# KiCad board DIP8breakout+potToUSB.kicad_pcb (continued)
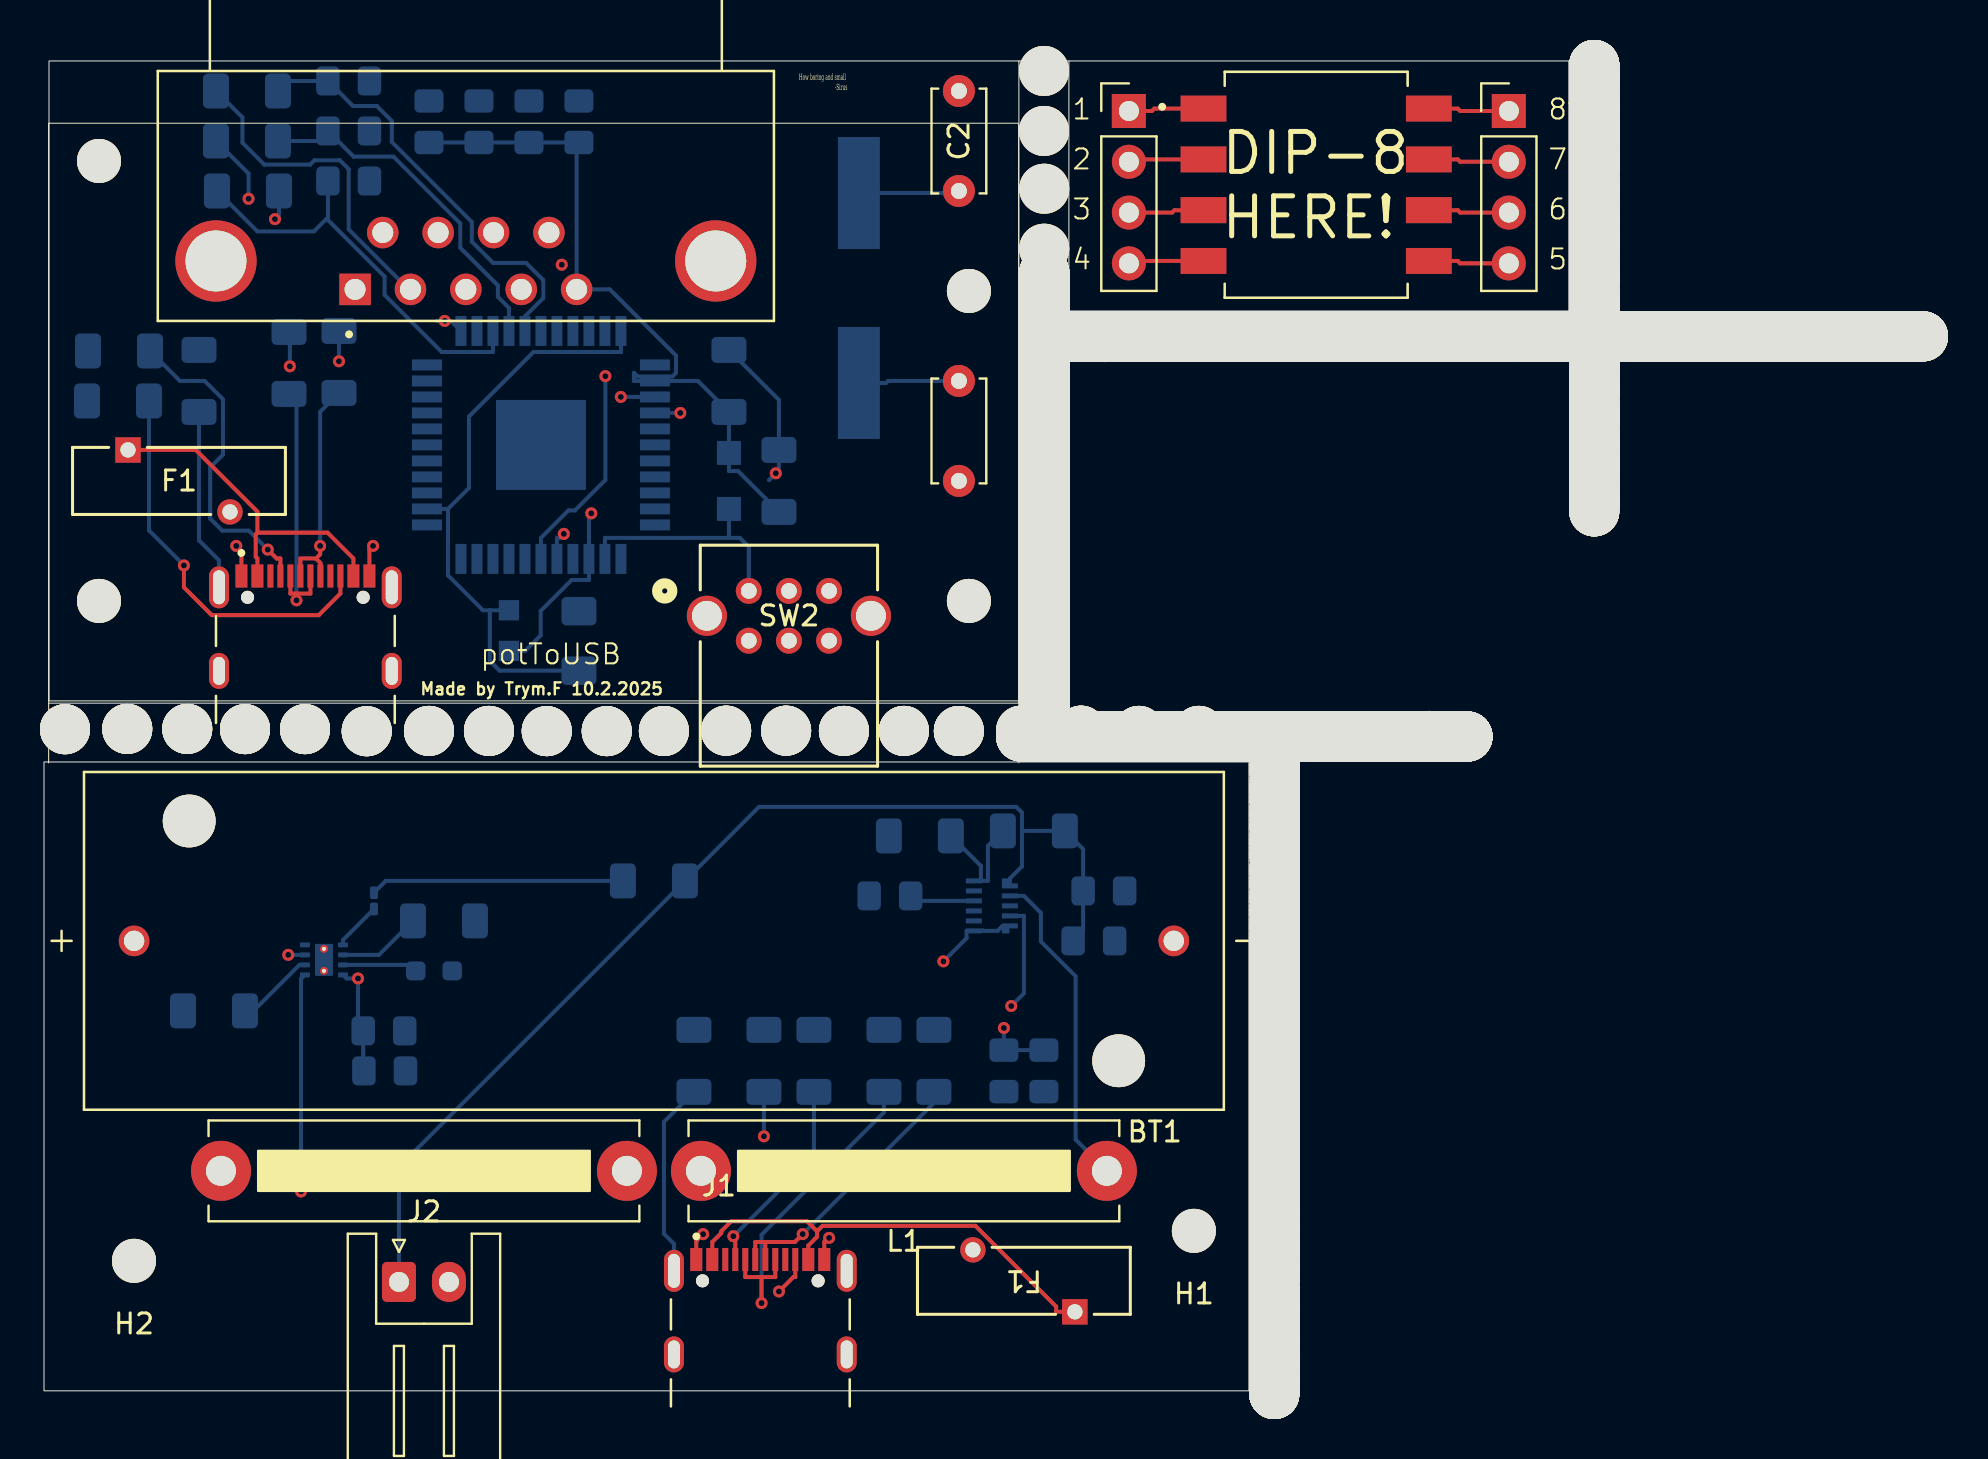
[diagram p0: board, top side]
## Placement (name value [footprint] x y rotation side) (continued)
NOREF#2750  -  [unnamed]  65.14 32.72 0 top
NOREF#2751  -  [unnamed]  50.02 50.89 90 top
NOREF#2752  -  [unnamed]  50.02 49.61 90 top
NOREF#2753  -  [unnamed]  50.02 39.43 90 top
NOREF#2754  -  [unnamed]  55.28 52.73 180 top
NOREF#2755  -  [unnamed]  61.55 14.17 90 top
NOREF#2756  -  [unnamed]  56.34 52.73 180 top
NOREF#2757  -  [unnamed]  61.52 16.52 270 top
NOREF#2758  -  [unnamed]  77.52 59.6 90 top
NOREF#2759  -  [unnamed]  77.52 51.02 90 top
NOREF#2760  -  [unnamed]  61.52 14.92 270 top
NOREF#2761  -  [unnamed]  50.02 38.61 90 top
NOREF#2762  -  [unnamed]  75.46 52.73 180 top
NOREF#2763  -  [unnamed]  50.02 48.01 90 top
NOREF#2764  -  [unnamed]  51.32 32.72 0 top
NOREF#2765  -  [unnamed]  52.48 32.72 0 top
NOREF#2766  -  [unnamed]  61.52 19.2 270 top
NOREF#2767  -  [unnamed]  61.55 24.03 90 top
NOREF#2768  -  [unnamed]  82.3 52.73 180 top
NOREF#2769  -  [unnamed]  68.68 52.73 180 top
NOREF#2770  -  [unnamed]  61.98 52.73 180 top
NOREF#2771  -  [unnamed]  61.55 22.67 90 top
NOREF#2772  -  [unnamed]  61.52 13.36 270 top
NOREF#2773  -  [unnamed]  76.2 52.73 180 top
NOREF#2774  -  [unnamed]  84.5 52.73 180 top
NOREF#2775  -  [unnamed]  51.32 32.72 0 top
NOREF#2776  -  [unnamed]  61.52 15.12 270 top
NOREF#2777  -  [unnamed]  61.55 14.83 90 top
NOREF#2778  -  [unnamed]  65.34 52.73 180 top
NOREF#2779  -  [unnamed]  61.55 22.87 90 top
NOREF#2780  -  [unnamed]  53.62 32.72 0 top
NOREF#2781  -  [unnamed]  50.02 48.47 90 top
NOREF#2782  -  [unnamed]  63.74 32.72 0 top
NOREF#2783  -  [unnamed]  60.38 52.73 180 top
NOREF#2784  -  [unnamed]  68.92 32.72 0 top
NOREF#2785  -  [unnamed]  50.02 50.07 90 top
NOREF#2786  -  [unnamed]  71.84 52.73 180 top
NOREF#2787  -  [unnamed]  52.02 32.72 0 top
NOREF#2788  -  [unnamed]  61.55 13.23 90 top
NOREF#2789  -  [unnamed]  61.52 20.36 270 top
NOREF#2790  -  [unnamed]  77.52 65.24 90 top
NOREF#2791  -  [unnamed]  56.3 32.72 0 top
NOREF#2792  -  [unnamed]  77.52 49.2 90 top
NOREF#2793  -  [unnamed]  61.98 52.73 180 top
NOREF#2794  -  [unnamed]  50.02 33.79 90 top
NOREF#2795  -  [unnamed]  49.92 32.72 0 top
NOREF#2796  -  [unnamed]  70.48 52.73 180 top
NOREF#2797  -  [unnamed]  61.55 24.03 90 top
NOREF#2798  -  [unnamed]  61.55 24.23 90 top
NOREF#2799  -  [unnamed]  57.16 52.73 180 top
NOREF#2800  -  [unnamed]  61.52 6.88 270 top
NOREF#2801  -  [unnamed]  56.14 52.73 180 top
NOREF#2802  -  [unnamed]  61.52 19.9 270 top
NOREF#2803  -  [unnamed]  77.52 49.82 90 top
NOREF#2804  -  [unnamed]  50.02 43.79 90 top
NOREF#2805  -  [unnamed]  50.02 55.31 90 top
NOREF#2806  -  [unnamed]  59.52 32.72 0 top
NOREF#2807  -  [unnamed]  57.66 32.72 0 top
NOREF#2808  -  [unnamed]  72.84 52.73 180 top
NOREF#2809  -  [unnamed]  91.2 52.73 180 top
NOREF#2810  -  [unnamed]  89.6 52.73 180 top
NOREF#2811  -  [unnamed]  61.55 16.31 90 top
NOREF#2812  -  [unnamed]  67.14 52.73 180 top
NOREF#2813  -  [unnamed]  80.64 52.73 180 top
NOREF#2814  -  [unnamed]  50.02 55.91 90 top
NOREF#2815  -  [unnamed]  57.16 32.72 0 top
NOREF#2816  -  [unnamed]  61.55 13.23 90 top
NOREF#2817  -  [unnamed]  77.52 54.18 90 top
NOREF#2818  -  [unnamed]  53.18 52.73 180 top
NOREF#2819  -  [unnamed]  73.64 52.73 180 top
NOREF#2820  -  [unnamed]  61.55 14.63 90 top
NOREF#2821  -  [unnamed]  73.24 52.73 180 top
NOREF#2822  -  [unnamed]  70.28 52.73 180 top
NOREF#2823  -  [unnamed]  61.55 24.49 90 top
NOREF#2824  -  [unnamed]  59.06 32.72 0 top
NOREF#2825  -  [unnamed]  77.52 63.84 90 top
NOREF#2826  -  [unnamed]  61.55 11.87 90 top
NOREF#2827  -  [unnamed]  50.02 54.85 90 top
NOREF#2828  -  [unnamed]  52.72 52.73 180 top
NOREF#2829  -  [unnamed]  50.02 42.85 90 top
NOREF#2830  -  [unnamed]  74.1 52.73 180 top
NOREF#2831  -  [unnamed]  50.02 45.71 90 top
NOREF#2832  -  [unnamed]  56.3 32.72 0 top
NOREF#2833  -  [unnamed]  61.52 10.7 270 top
NOREF#2834  -  [unnamed]  77.52 49.82 90 top
NOREF#2835  -  [unnamed]  50.02 42.39 90 top
NOREF#2836  -  [unnamed]  85.36 52.73 180 top
NOREF#2837  -  [unnamed]  61.55 21.73 90 top
NOREF#2838  -  [unnamed]  61.52 11.96 270 top
NOREF#2839  -  [unnamed]  61.55 22.67 90 top
NOREF#2840  -  [unnamed]  61.55 26.51 90 top
NOREF#2841  -  [unnamed]  72.18 52.73 180 top
NOREF#2842  -  [unnamed]  58.12 32.72 0 top
NOREF#2843  -  [unnamed]  90.54 52.73 180 top
NOREF#2844  -  [unnamed]  77.52 55.64 90 top
NOREF#2845  -  [unnamed]  77.52 47.6 90 top
NOREF#2846  -  [unnamed]  61.52 7.94 270 top
NOREF#2847  -  [unnamed]  64.44 52.73 180 top
NOREF#2848  -  [unnamed]  64.48 32.72 0 top
NOREF#2849  -  [unnamed]  60.52 32.72 0 top
NOREF#2850  -  [unnamed]  64.14 32.72 0 top
NOREF#2851  -  [unnamed]  57.16 32.72 0 top
NOREF#2852  -  [unnamed]  69.58 32.72 0 top
NOREF#2853  -  [unnamed]  61.55 19.07 90 top
NOREF#2854  -  [unnamed]  50.66 32.72 0 top
NOREF#2855  -  [unnamed]  59.92 52.73 180 top
NOREF#2856  -  [unnamed]  87.92 52.73 180 top
NOREF#2857  -  [unnamed]  50.02 43.25 90 top
NOREF#2858  -  [unnamed]  67.6 52.73 180 top
NOREF#2859  -  [unnamed]  61.58 52.73 180 top
NOREF#2860  -  [unnamed]  77.52 54.64 90 top
NOREF#2861  -  [unnamed]  77.52 45.78 90 top
NOREF#2862  -  [unnamed]  68.88 52.73 180 top
NOREF#2863  -  [unnamed]  61.52 0.7 270 top
NOREF#2864  -  [unnamed]  50.02 46.85 90 top
NOREF#2865  -  [unnamed]  57.66 32.72 0 top
NOREF#2866  -  [unnamed]  50.02 47.61 90 top
NOREF#2867  -  [unnamed]  64.64 52.73 180 top
NOREF#2868  -  [unnamed]  61.52 7.94 270 top
NOREF#2869  -  [unnamed]  61.52 17.6 270 top
NOREF#2870  -  [unnamed]  50.02 44.25 90 top
NOREF#2871  -  [unnamed]  61.55 26.71 90 top
NOREF#2872  -  [unnamed]  88.74 52.73 180 top
NOREF#2873  -  [unnamed]  62.38 52.73 180 top
NOREF#2874  -  [unnamed]  67.4 52.73 180 top
NOREF#2875  -  [unnamed]  77.52 60.88 90 top
NOREF#2876  -  [unnamed]  66.94 52.73 180 top
NOREF#2877  -  [unnamed]  61.52 21.76 270 top
NOREF#2878  -  [unnamed]  68.68 52.73 180 top
NOREF#2879  -  [unnamed]  92.16 52.73 180 top
NOREF#2880  -  [unnamed]  54.28 32.72 0 top
NOREF#2881  -  [unnamed]  67.4 52.73 180 top
NOREF#2882  -  [unnamed]  77.52 52.58 90 top
NOREF#2883  -  [unnamed]  75.26 52.73 180 top
NOREF#2884  -  [unnamed]  61.55 30.87 90 top
NOREF#2885  -  [unnamed]  77.52 53.78 90 top
NOREF#2886  -  [unnamed]  65.14 32.72 0 top
NOREF#2887  -  [unnamed]  77.52 46.44 90 top
NOREF#2888  -  [unnamed]  70.32 32.72 0 top
NOREF#2889  -  [unnamed]  77.52 64.7 90 top
NOREF#2890  -  [unnamed]  77.94 52.73 180 top
NOREF#2891  -  [unnamed]  71.84 52.73 180 top
NOREF#2892  -  [unnamed]  51.82 32.72 0 top
NOREF#2893  -  [unnamed]  77.52 50.02 90 top
NOREF#2894  -  [unnamed]  50.02 39.43 90 top
NOREF#2895  -  [unnamed]  77.52 44.84 90 top
NOREF#2896  -  [unnamed]  87.06 52.73 180 top
NOREF#2897  -  [unnamed]  61.52 12.7 270 top
NOREF#2898  -  [unnamed]  63.98 52.73 180 top
NOREF#2899  -  [unnamed]  83.1 52.73 180 top
NOREF#2900  -  [unnamed]  50.02 35.39 90 top
NOREF#2901  -  [unnamed]  50.02 52.95 90 top
NOREF#2902  -  [unnamed]  61.52 20.36 270 top
NOREF#2903  -  [unnamed]  50.02 46.65 90 top
NOREF#2904  -  [unnamed]  77.52 52.58 90 top
NOREF#2905  -  [unnamed]  70.78 32.72 0 top
NOREF#2906  -  [unnamed]  87.46 52.73 180 top
NOREF#2907  -  [unnamed]  77.52 55.44 90 top
NOREF#2908  -  [unnamed]  61.55 18.87 90 top
NOREF#2909  -  [unnamed]  50.46 32.72 0 top
NOREF#2910  -  [unnamed]  50.02 53.65 90 top
NOREF#2911  -  [unnamed]  55.48 52.73 180 top
NOREF#2912  -  [unnamed]  61.52 21.3 270 top
NOREF#2913  -  [unnamed]  93.76 52.73 180 top
NOREF#2914  -  [unnamed]  77.52 58.4 90 top
NOREF#2915  -  [unnamed]  56.34 52.73 180 top
NOREF#2916  -  [unnamed]  61.52 9.3 270 top
NOREF#2917  -  [unnamed]  90.6 52.73 180 top
NOREF#2918  -  [unnamed]  77.52 51.42 90 top
NOREF#2919  -  [unnamed]  61.52 21.3 270 top
NOREF#2920  -  [unnamed]  50.02 43.59 90 top
NOREF#2921  -  [unnamed]  50.02 52.95 90 top
NOREF#2922  -  [unnamed]  53.02 32.72 0 top
NOREF#2923  -  [unnamed]  50.02 42.85 90 top
NOREF#2924  -  [unnamed]  61.52 20.36 270 top
NOREF#2925  -  [unnamed]  50.02 34.65 90 top
NOREF#2926  -  [unnamed]  61.52 4.6 270 top
NOREF#2927  -  [unnamed]  60.58 52.73 180 top
NOREF#2928  -  [unnamed]  88.12 52.73 180 top
NOREF#2929  -  [unnamed]  78.88 52.73 180 top
NOREF#2930  -  [unnamed]  55.28 52.73 180 top
NOREF#2931  -  [unnamed]  63.98 52.73 180 top
NOREF#2932  -  [unnamed]  71.84 52.73 180 top
NOREF#2933  -  [unnamed]  70.28 52.73 180 top
NOREF#2934  -  [unnamed]  50.02 34.65 90 top
NOREF#2935  -  [unnamed]  77.52 48.34 90 top
NOREF#2936  -  [unnamed]  61.52 0.04 270 top
NOREF#2937  -  [unnamed]  50.02 41.29 90 top
NOREF#2938  -  [unnamed]  61.55 16.31 90 top
NOREF#2939  -  [unnamed]  56.96 32.72 0 top
NOREF#2940  -  [unnamed]  50.02 39.01 90 top
NOREF#2941  -  [unnamed]  77.52 57.24 90 top
NOREF#2942  -  [unnamed]  54.08 52.73 180 top
NOREF#2943  -  [unnamed]  57.62 52.73 180 top
NOREF#2944  -  [unnamed]  61.52 5.88 270 top
NOREF#2945  -  [unnamed]  77.52 49 90 top
NOREF#2946  -  [unnamed]  61.55 27.37 90 top
NOREF#2947  -  [unnamed]  77.52 52.08 90 top
NOREF#2948  -  [unnamed]  71.84 52.73 180 top
NOREF#2949  -  [unnamed]  61.52 19.9 270 top
NOREF#2950  -  [unnamed]  61.55 25.63 90 top
NOREF#2951  -  [unnamed]  61.55 28.31 90 top
NOREF#2952  -  [unnamed]  63.44 52.73 180 top
NOREF#2953  -  [unnamed]  54.74 52.73 180 top
NOREF#2954  -  [unnamed]  61.52 18.34 270 top
NOREF#2955  -  [unnamed]  56.76 32.72 0 top
NOREF#2956  -  [unnamed]  50.02 47.31 90 top
NOREF#2957  -  [unnamed]  65.54 52.73 180 top
NOREF#2958  -  [unnamed]  53.42 32.72 0 top
NOREF#2959  -  [unnamed]  91.5 52.73 180 top
NOREF#2960  -  [unnamed]  72.04 52.73 180 top
NOREF#2961  -  [unnamed]  64.84 52.73 180 top
NOREF#2962  -  [unnamed]  61.52 19.5 270 top
NOREF#2963  -  [unnamed]  77.52 61.28 90 top
NOREF#2964  -  [unnamed]  92.16 52.73 180 top
NOREF#2965  -  [unnamed]  50.02 53.65 90 top
NOREF#2966  -  [unnamed]  61.55 31.73 90 top
NOREF#2967  -  [unnamed]  50.02 40.83 90 top
NOREF#2968  -  [unnamed]  63.04 52.73 180 top
NOREF#2969  -  [unnamed]  61.55 15.91 90 top
NOREF#2970  -  [unnamed]  61.52 17.6 270 top
NOREF#2971  -  [unnamed]  75.8 52.73 180 top
NOREF#2972  -  [unnamed]  50.02 46.85 90 top
NOREF#2973  -  [unnamed]  50.02 49.41 90 top
NOREF#2974  -  [unnamed]  77.52 48.54 90 top
NOREF#2975  -  [unnamed]  90.34 52.73 180 top
NOREF#2976  -  [unnamed]  77.52 44.18 90 top
NOREF#2977  -  [unnamed]  65.34 52.73 180 top
NOREF#2978  -  [unnamed]  61.52 16.94 270 top
NOREF#2979  -  [unnamed]  77.52 49.2 90 top
NOREF#2980  -  [unnamed]  57.36 52.73 180 top
NOREF#2981  -  [unnamed]  77.52 61.94 90 top
NOREF#2982  -  [unnamed]  61.55 15.65 90 top
NOREF#2983  -  [unnamed]  61.52 14.06 270 top
NOREF#2984  -  [unnamed]  50.02 41.03 90 top
NOREF#2985  -  [unnamed]  61.52 7.08 270 top
NOREF#2986  -  [unnamed]  59.72 32.72 0 top
NOREF#2987  -  [unnamed]  59.02 52.73 180 top
NOREF#2988  -  [unnamed]  76.2 52.73 180 top
NOREF#2989  -  [unnamed]  50.02 41.89 90 top
NOREF#2990  -  [unnamed]  61.18 32.72 0 top
NOREF#2991  -  [unnamed]  81.1 52.73 180 top
NOREF#2992  -  [unnamed]  61.55 18.67 90 top
NOREF#2993  -  [unnamed]  77.52 62.88 90 top
NOREF#2994  -  [unnamed]  61.52 9.84 270 top
NOREF#2995  -  [unnamed]  93.56 52.73 180 top
NOREF#2996  -  [unnamed]  50.02 52.09 90 top
NOREF#2997  -  [unnamed]  77.48 52.73 180 top
NOREF#2998  -  [unnamed]  61.52 4.86 270 top
NOREF#2999  -  [unnamed]  52.02 32.72 0 top
NOREF#3000  -  [unnamed]  84.7 52.73 180 top
NOREF#3001  -  [unnamed]  71.64 52.73 180 top
NOREF#3002  -  [unnamed]  50.02 33.99 90 top
NOREF#3003  -  [unnamed]  51.52 32.72 0 top
NOREF#3004  -  [unnamed]  50.02 54.11 90 top
NOREF#3005  -  [unnamed]  50.02 39.43 90 top
NOREF#3006  -  [unnamed]  77.52 52.58 90 top
NOREF#3007  -  [unnamed]  61.52 3.46 270 top
NOREF#3008  -  [unnamed]  50.02 53.15 90 top
NOREF#3009  -  [unnamed]  77.52 50.22 90 top
NOREF#3010  -  [unnamed]  61.52 10.7 270 top
NOREF#3011  -  [unnamed]  77.52 63.84 90 top
NOREF#3012  -  [unnamed]  68.88 52.73 180 top
NOREF#3013  -  [unnamed]  60.78 52.73 180 top
NOREF#3014  -  [unnamed]  50.02 43.99 90 top
NOREF#3015  -  [unnamed]  77.48 52.73 180 top
NOREF#3016  -  [unnamed]  77.06 52.73 180 top
NOREF#3017  -  [unnamed]  61.55 12.57 90 top
NOREF#3018  -  [unnamed]  77.52 52.08 90 top
NOREF#3019  -  [unnamed]  61.55 16.65 90 top
NOREF#3020  -  [unnamed]  61.55 15.65 90 top
NOREF#3021  -  [unnamed]  50.02 42.39 90 top
NOREF#3022  -  [unnamed]  53.88 32.72 0 top
NOREF#3023  -  [unnamed]  61.52 16.32 270 top
NOREF#3024  -  [unnamed]  61.52 2.5 270 top
NOREF#3025  -  [unnamed]  61.55 27.57 90 top
NOREF#3026  -  [unnamed]  50.92 32.72 0 top
NOREF#3027  -  [unnamed]  50.02 42.85 90 top
NOREF#3028  -  [unnamed]  50.02 50.69 90 top
NOREF#3029  -  [unnamed]  50.02 52.95 90 top
NOREF#3030  -  [unnamed]  59.02 52.73 180 top
NOREF#3031  -  [unnamed]  50.02 34.45 90 top
NOREF#3032  -  [unnamed]  77.52 54.84 90 top
NOREF#3033  -  [unnamed]  61.55 17.05 90 top
NOREF#3034  -  [unnamed]  59.06 32.72 0 top
NOREF#3035  -  [unnamed]  61.52 2.8 270 top
NOREF#3036  -  [unnamed]  82.1 52.73 180 top
NOREF#3037  -  [unnamed]  63.24 52.73 180 top
NOREF#3038  -  [unnamed]  50.02 44.45 90 top
NOREF#3039  -  [unnamed]  77.52 54.18 90 top
NOREF#3040  -  [unnamed]  61.52 12.9 270 top
NOREF#3041  -  [unnamed]  61.55 14.17 90 top
NOREF#3042  -  [unnamed]  50.02 53.25 90 top
NOREF#3043  -  [unnamed]  61.52 4 270 top
NOREF#3044  -  [unnamed]  61.55 19.61 90 top
NOREF#3045  -  [unnamed]  61.52 18.54 270 top
NOREF#3046  -  [unnamed]  54.54 52.73 180 top
NOREF#3047  -  [unnamed]  61.52 11.3 270 top
NOREF#3048  -  [unnamed]  59.52 32.72 0 top
NOREF#3049  -  [unnamed]  61.52 16.94 270 top
NOREF#3050  -  [unnamed]  77.52 47.8 90 top
NOREF#3051  -  [unnamed]  77.52 54.18 90 top
NOREF#3052  -  [unnamed]  78.34 52.73 180 top
NOREF#3053  -  [unnamed]  59.02 52.73 180 top
NOREF#3054  -  [unnamed]  64.68 32.72 0 top
NOREF#3055  -  [unnamed]  61.52 0.7 270 top
NOREF#3056  -  [unnamed]  50.02 43.79 90 top
NOREF#3057  -  [unnamed]  61.55 17.05 90 top
NOREF#3058  -  [unnamed]  80.44 52.73 180 top
NOREF#3059  -  [unnamed]  61.52 9.3 270 top
NOREF#3060  -  [unnamed]  50.02 47.11 90 top
NOREF#3061  -  [unnamed]  83.96 52.73 180 top
NOREF#3062  -  [unnamed]  61.92 32.72 0 top
NOREF#3063  -  [unnamed]  50.02 52.09 90 top
NOREF#3064  -  [unnamed]  61.55 9.81 90 top
NOREF#3065  -  [unnamed]  61.52 6.54 270 top
NOREF#3066  -  [unnamed]  61.52 16.94 270 top
NOREF#3067  -  [unnamed]  50.02 34.65 90 top
NOREF#3068  -  [unnamed]  61.52 4.66 270 top
NOREF#3069  -  [unnamed]  61.55 16.51 90 top
NOREF#3070  -  [unnamed]  56.96 52.73 180 top
NOREF#3071  -  [unnamed]  70.98 32.72 0 top
NOREF#3072  -  [unnamed]  61.52 4.86 270 top
NOREF#3073  -  [unnamed]  82.5 52.73 180 top
NOREF#3074  -  [unnamed]  55.88 52.73 180 top
NOREF#3075  -  [unnamed]  50.02 49.61 90 top
NOREF#3076  -  [unnamed]  50.02 38.61 90 top
NOREF#3077  -  [unnamed]  62.58 32.72 0 top
NOREF#3078  -  [unnamed]  61.52 14.52 270 top
NOREF#3079  -  [unnamed]  73.44 52.73 180 top
NOREF#3080  -  [unnamed]  61.55 25.03 90 top
NOREF#3081  -  [unnamed]  61.52 6.34 270 top
NOREF#3082  -  [unnamed]  62.12 32.72 0 top
NOREF#3083  -  [unnamed]  61.52 18.54 270 top
NOREF#3084  -  [unnamed]  86.72 52.73 180 top
NOREF#3085  -  [unnamed]  73.24 52.73 180 top
NOREF#3086  -  [unnamed]  77.52 65.24 90 top
NOREF#3087  -  [unnamed]  77.52 49.2 90 top
NOREF#3088  -  [unnamed]  64.84 52.73 180 top
NOREF#3089  -  [unnamed]  77.52 50.68 90 top
NOREF#3090  -  [unnamed]  50.02 53.45 90 top
NOREF#3091  -  [unnamed]  77.52 51.42 90 top
NOREF#3092  -  [unnamed]  70.48 52.73 180 top
NOREF#3093  -  [unnamed]  61.55 31.07 90 top
NOREF#3094  -  [unnamed]  61.52 1.44 270 top
NOREF#3095  -  [unnamed]  91.7 52.73 180 top
NOREF#3096  -  [unnamed]  61.52 5.88 270 top
NOREF#3097  -  [unnamed]  61.55 29.87 90 top
NOREF#3098  -  [unnamed]  82.7 52.73 180 top
NOREF#3099  -  [unnamed]  50.02 46.65 90 top
NOREF#3100  -  [unnamed]  77.94 52.73 180 top
NOREF#3101  -  [unnamed]  61.52 5.88 270 top
NOREF#3102  -  [unnamed]  51.82 32.72 0 top
NOREF#3103  -  [unnamed]  61.55 30.33 90 top
NOREF#3104  -  [unnamed]  59.92 52.73 180 top
NOREF#3105  -  [unnamed]  75.66 52.73 180 top
NOREF#3106  -  [unnamed]  77.52 47.6 90 top
NOREF#3107  -  [unnamed]  82.5 52.73 180 top
NOREF#3108  -  [unnamed]  60.92 52.73 180 top
NOREF#3109  -  [unnamed]  73.04 52.73 180 top
NOREF#3110  -  [unnamed]  57.66 32.72 0 top
NOREF#3111  -  [unnamed]  61.92 32.72 0 top
NOREF#3112  -  [unnamed]  61.55 20.27 90 top
NOREF#3113  -  [unnamed]  91.5 52.73 180 top
NOREF#3114  -  [unnamed]  58.32 32.72 0 top
NOREF#3115  -  [unnamed]  85.86 52.73 180 top
NOREF#3116  -  [unnamed]  56.14 52.73 180 top
NOREF#3117  -  [unnamed]  70.28 52.73 180 top
NOREF#3118  -  [unnamed]  77.52 52.78 90 top
NOREF#3119  -  [unnamed]  50.02 43.79 90 top
NOREF#3120  -  [unnamed]  50.02 44.45 90 top
NOREF#3121  -  [unnamed]  61.52 3.26 270 top
NOREF#3122  -  [unnamed]  61.52 6.34 270 top
NOREF#3123  -  [unnamed]  55.16 32.72 0 top
NOREF#3124  -  [unnamed]  90.54 52.73 180 top
NOREF#3125  -  [unnamed]  77.52 60.26 90 top
NOREF#3126  -  [unnamed]  77.52 61.94 90 top
NOREF#3127  -  [unnamed]  71.44 52.73 180 top
NOREF#3128  -  [unnamed]  54.9 32.72 0 top
NOREF#3129  -  [unnamed]  56.96 32.72 0 top
NOREF#3130  -  [unnamed]  61.52 0.7 270 top
NOREF#3131  -  [unnamed]  70.98 52.73 180 top
NOREF#3132  -  [unnamed]  61.55 31.07 90 top
NOREF#3133  -  [unnamed]  65.14 52.73 180 top
NOREF#3134  -  [unnamed]  50.02 54.31 90 top
NOREF#3135  -  [unnamed]  61.52 18.34 270 top
NOREF#3136  -  [unnamed]  55.28 52.73 180 top
NOREF#3137  -  [unnamed]  77.52 55.64 90 top
NOREF#3138  -  [unnamed]  77.52 61.94 90 top
NOREF#3139  -  [unnamed]  61.52 10.5 270 top
NOREF#3140  -  [unnamed]  56.14 52.73 180 top
NOREF#3141  -  [unnamed]  77.52 65.64 90 top
NOREF#3142  -  [unnamed]  92.16 52.73 180 top
NOREF#3143  -  [unnamed]  57.66 32.72 0 top
NOREF#3144  -  [unnamed]  77.52 59.06 90 top
NOREF#3145  -  [unnamed]  61.55 25.03 90 top
NOREF#3146  -  [unnamed]  51.52 32.72 0 top
NOREF#3147  -  [unnamed]  61.55 27.91 90 top
NOREF#3148  -  [unnamed]  61.55 26.09 90 top
NOREF#3149  -  [unnamed]  61.52 12.7 270 top
NOREF#3150  -  [unnamed]  77.52 49.4 90 top
NOREF#3151  -  [unnamed]  61.52 20.16 270 top
NOREF#3152  -  [unnamed]  77.52 58.4 90 top
NOREF#3153  -  [unnamed]  60.18 52.73 180 top
NOREF#3154  -  [unnamed]  77.52 65.44 90 top
NOREF#3155  -  [unnamed]  61.55 31.53 90 top
NOREF#3156  -  [unnamed]  61.55 25.43 90 top
NOREF#3157  -  [unnamed]  61.52 13.16 270 top
NOREF#3158  -  [unnamed]  78.14 52.73 180 top
NOREF#3159  -  [unnamed]  61.52 15.92 270 top
NOREF#3160  -  [unnamed]  58.86 32.72 0 top
NOREF#3161  -  [unnamed]  76.66 52.73 180 top
NOREF#3162  -  [unnamed]  82.9 52.73 180 top
NOREF#3163  -  [unnamed]  77.52 64.04 90 top
NOREF#3164  -  [unnamed]  61.55 31.73 90 top
NOREF#3165  -  [unnamed]  50.02 39.63 90 top
NOREF#3166  -  [unnamed]  50.86 32.72 0 top
NOREF#3167  -  [unnamed]  84.5 52.73 180 top
NOREF#3168  -  [unnamed]  61.55 27.57 90 top
NOREF#3169  -  [unnamed]  61.55 18.21 90 top
NOREF#3170  -  [unnamed]  77.52 45.98 90 top
NOREF#3171  -  [unnamed]  68.92 32.72 0 top
NOREF#3172  -  [unnamed]  92.56 52.73 180 top
NOREF#3173  -  [unnamed]  61.52 18.74 270 top
NOREF#3174  -  [unnamed]  59.02 52.73 180 top
NOREF#3175  -  [unnamed]  61.52 19.7 270 top
NOREF#3176  -  [unnamed]  50.02 44.25 90 top
NOREF#3177  -  [unnamed]  76.4 52.73 180 top
NOREF#3178  -  [unnamed]  69.58 32.72 0 top
NOREF#3179  -  [unnamed]  50.02 44.25 90 top
NOREF#3180  -  [unnamed]  77.52 50.88 90 top
NOREF#3181  -  [unnamed]  61.52 7.28 270 top
NOREF#3182  -  [unnamed]  61.52 7.94 270 top
NOREF#3183  -  [unnamed]  72.18 52.73 180 top
NOREF#3184  -  [unnamed]  61.55 28.77 90 top
NOREF#3185  -  [unnamed]  77.52 61.74 90 top
NOREF#3186  -  [unnamed]  57.16 32.72 0 top
NOREF#3187  -  [unnamed]  78.54 52.73 180 top
NOREF#3188  -  [unnamed]  61.55 26.09 90 top
NOREF#3189  -  [unnamed]  61.55 31.93 90 top
NOREF#3190  -  [unnamed]  77.52 56.3 90 top
NOREF#3191  -  [unnamed]  61.52 12.7 270 top
NOREF#3192  -  [unnamed]  61.12 52.73 180 top
NOREF#3193  -  [unnamed]  86.52 52.73 180 top
NOREF#3194  -  [unnamed]  61.55 24.69 90 top
NOREF#3195  -  [unnamed]  73.04 52.73 180 top
NOREF#3196  -  [unnamed]  53.62 32.72 0 top
NOREF#3197  -  [unnamed]  79.74 52.73 180 top
NOREF#3198  -  [unnamed]  61.52 10.04 270 top
NOREF#3199  -  [unnamed]  50.02 43.05 90 top
NOREF#3200  -  [unnamed]  61.55 21.27 90 top
NOREF#3201  -  [unnamed]  52.88 32.72 0 top
NOREF#3202  -  [unnamed]  61.52 0.7 270 top
NOREF#3203  -  [unnamed]  71.18 52.73 180 top
NOREF#3204  -  [unnamed]  61.52 21.56 270 top
NOREF#3205  -  [unnamed]  49.06 32.72 0 top
NOREF#3206  -  [unnamed]  57.62 52.73 180 top
NOREF#3207  -  [unnamed]  61.32 52.73 180 top
NOREF#3208  -  [unnamed]  61.52 19.9 270 top
NOREF#3209  -  [unnamed]  77.52 61.94 90 top
NOREF#3210  -  [unnamed]  61.55 13.43 90 top
NOREF#3211  -  [unnamed]  61.52 21.76 270 top
NOREF#3212  -  [unnamed]  50.02 47.51 90 top
NOREF#3213  -  [unnamed]  61.55 18.21 90 top
NOREF#3214  -  [unnamed]  86.52 52.73 180 top
NOREF#3215  -  [unnamed]  61.55 21.73 90 top
NOREF#3216  -  [unnamed]  50.02 33.99 90 top
NOREF#3217  -  [unnamed]  54.08 32.72 0 top
NOREF#3218  -  [unnamed]  61.52 10.04 270 top
NOREF#3219  -  [unnamed]  61.52 14.06 270 top
NOREF#3220  -  [unnamed]  61.55 13.03 90 top
NOREF#3221  -  [unnamed]  63.94 32.72 0 top
NOREF#3222  -  [unnamed]  61.52 12.9 270 top
NOREF#3223  -  [unnamed]  56.1 32.72 0 top
NOREF#3224  -  [unnamed]  65.34 52.73 180 top
NOREF#3225  -  [unnamed]  77.52 46.44 90 top
NOREF#3226  -  [unnamed]  60.58 52.73 180 top
NOREF#3227  -  [unnamed]  61.52 21.1 270 top
NOREF#3228  -  [unnamed]  92.9 52.73 180 top
NOREF#3229  -  [unnamed]  70.78 52.73 180 top
NOREF#3230  -  [unnamed]  61.55 11.21 90 top
NOREF#3231  -  [unnamed]  64.48 32.72 0 top
NOREF#3232  -  [unnamed]  50.02 51.75 90 top
NOREF#3233  -  [unnamed]  77.52 51.42 90 top
NOREF#3234  -  [unnamed]  61.52 17.4 270 top
NOREF#3235  -  [unnamed]  61.52 5.48 270 top
NOREF#3236  -  [unnamed]  61.55 27.77 90 top
NOREF#3237  -  [unnamed]  90.8 52.73 180 top
NOREF#3238  -  [unnamed]  61.52 7.08 270 top
NOREF#3239  -  [unnamed]  61.55 16.51 90 top
NOREF#3240  -  [unnamed]  50.02 40.09 90 top
NOREF#3241  -  [unnamed]  79.34 52.73 180 top
NOREF#3242  -  [unnamed]  69.42 52.73 180 top
NOREF#3243  -  [unnamed]  52.68 32.72 0 top
NOREF#3244  -  [unnamed]  61.55 21.93 90 top
NOREF#3245  -  [unnamed]  77.52 53.44 90 top
NOREF#3246  -  [unnamed]  51.52 52.73 180 top
NOREF#3247  -  [unnamed]  53.38 52.73 180 top
NOREF#3248  -  [unnamed]  69.08 52.73 180 top
NOREF#3249  -  [unnamed]  60.52 32.72 0 top
NOREF#3250  -  [unnamed]  72.84 52.73 180 top
NOREF#3251  -  [unnamed]  61.52 20.56 270 top
NOREF#3252  -  [unnamed]  61.52 17.14 270 top
NOREF#3253  -  [unnamed]  61.52 11.1 270 top
NOREF#3254  -  [unnamed]  61.55 30.53 90 top
NOREF#3255  -  [unnamed]  57.62 52.73 180 top
NOREF#3256  -  [unnamed]  50.02 41.69 90 top
NOREF#3257  -  [unnamed]  52.48 32.72 0 top
NOREF#3258  -  [unnamed]  77.52 65.44 90 top
NOREF#3259  -  [unnamed]  51.32 32.72 0 top
NOREF#3260  -  [unnamed]  50.02 54.85 90 top
NOREF#3261  -  [unnamed]  61.55 11.87 90 top
NOREF#3262  -  [unnamed]  72.5 52.73 180 top
NOREF#3263  -  [unnamed]  50.02 54.31 90 top
NOREF#3264  -  [unnamed]  60.52 32.72 0 top
NOREF#3265  -  [unnamed]  61.52 19.7 270 top
NOREF#3266  -  [unnamed]  58.52 32.72 0 top
NOREF#3267  -  [unnamed]  77.52 60 90 top
NOREF#3268  -  [unnamed]  85.16 52.73 180 top
NOREF#3269  -  [unnamed]  50.02 43.05 90 top
NOREF#3270  -  [unnamed]  66.2 52.73 180 top
NOREF#3271  -  [unnamed]  61.58 52.73 180 top
NOREF#3272  -  [unnamed]  68.52 32.72 0 top
NOREF#3273  -  [unnamed]  61.55 28.97 90 top
NOREF#3274  -  [unnamed]  77.52 54.84 90 top
NOREF#3275  -  [unnamed]  61.55 26.09 90 top
NOREF#3276  -  [unnamed]  77.52 55.64 90 top
NOREF#3277  -  [unnamed]  77.52 50.02 90 top
NOREF#3278  -  [unnamed]  61.55 29.17 90 top
NOREF#3279  -  [unnamed]  50.02 41.03 90 top
NOREF#3280  -  [unnamed]  93.56 52.73 180 top
NOREF#3281  -  [unnamed]  61.55 13.63 90 top
NOREF#3282  -  [unnamed]  72.38 52.73 180 top
NOREF#3283  -  [unnamed]  75.06 52.73 180 top
NOREF#3284  -  [unnamed]  61.55 30.33 90 top
NOREF#3285  -  [unnamed]  61.52 15.92 270 top
NOREF#3286  -  [unnamed]  50.02 36.95 90 top
NOREF#3287  -  [unnamed]  77.52 49.62 90 top
NOREF#3288  -  [unnamed]  61.55 14.17 90 top
NOREF#3289  -  [unnamed]  50.02 41.23 90 top
NOREF#3290  -  [unnamed]  61.55 29.67 90 top
NOREF#3291  -  [unnamed]  61.52 14.06 270 top
NOREF#3292  -  [unnamed]  64.18 52.73 180 top
NOREF#3293  -  [unnamed]  53.58 52.73 180 top
NOREF#3294  -  [unnamed]  80.44 52.73 180 top
NOREF#3295  -  [unnamed]  61.52 8.44 270 top
NOREF#3296  -  [unnamed]  77.48 52.73 180 top
NOREF#3297  -  [unnamed]  61.55 24.69 90 top
NOREF#3298  -  [unnamed]  51.12 32.72 0 top
NOREF#3299  -  [unnamed]  61.52 4.2 270 top
NOREF#3300  -  [unnamed]  73.04 52.73 180 top
NOREF#3301  -  [unnamed]  88.32 52.73 180 top